# Altium PCB Elevator.PcbDoc (part 4 of 4) (continued)
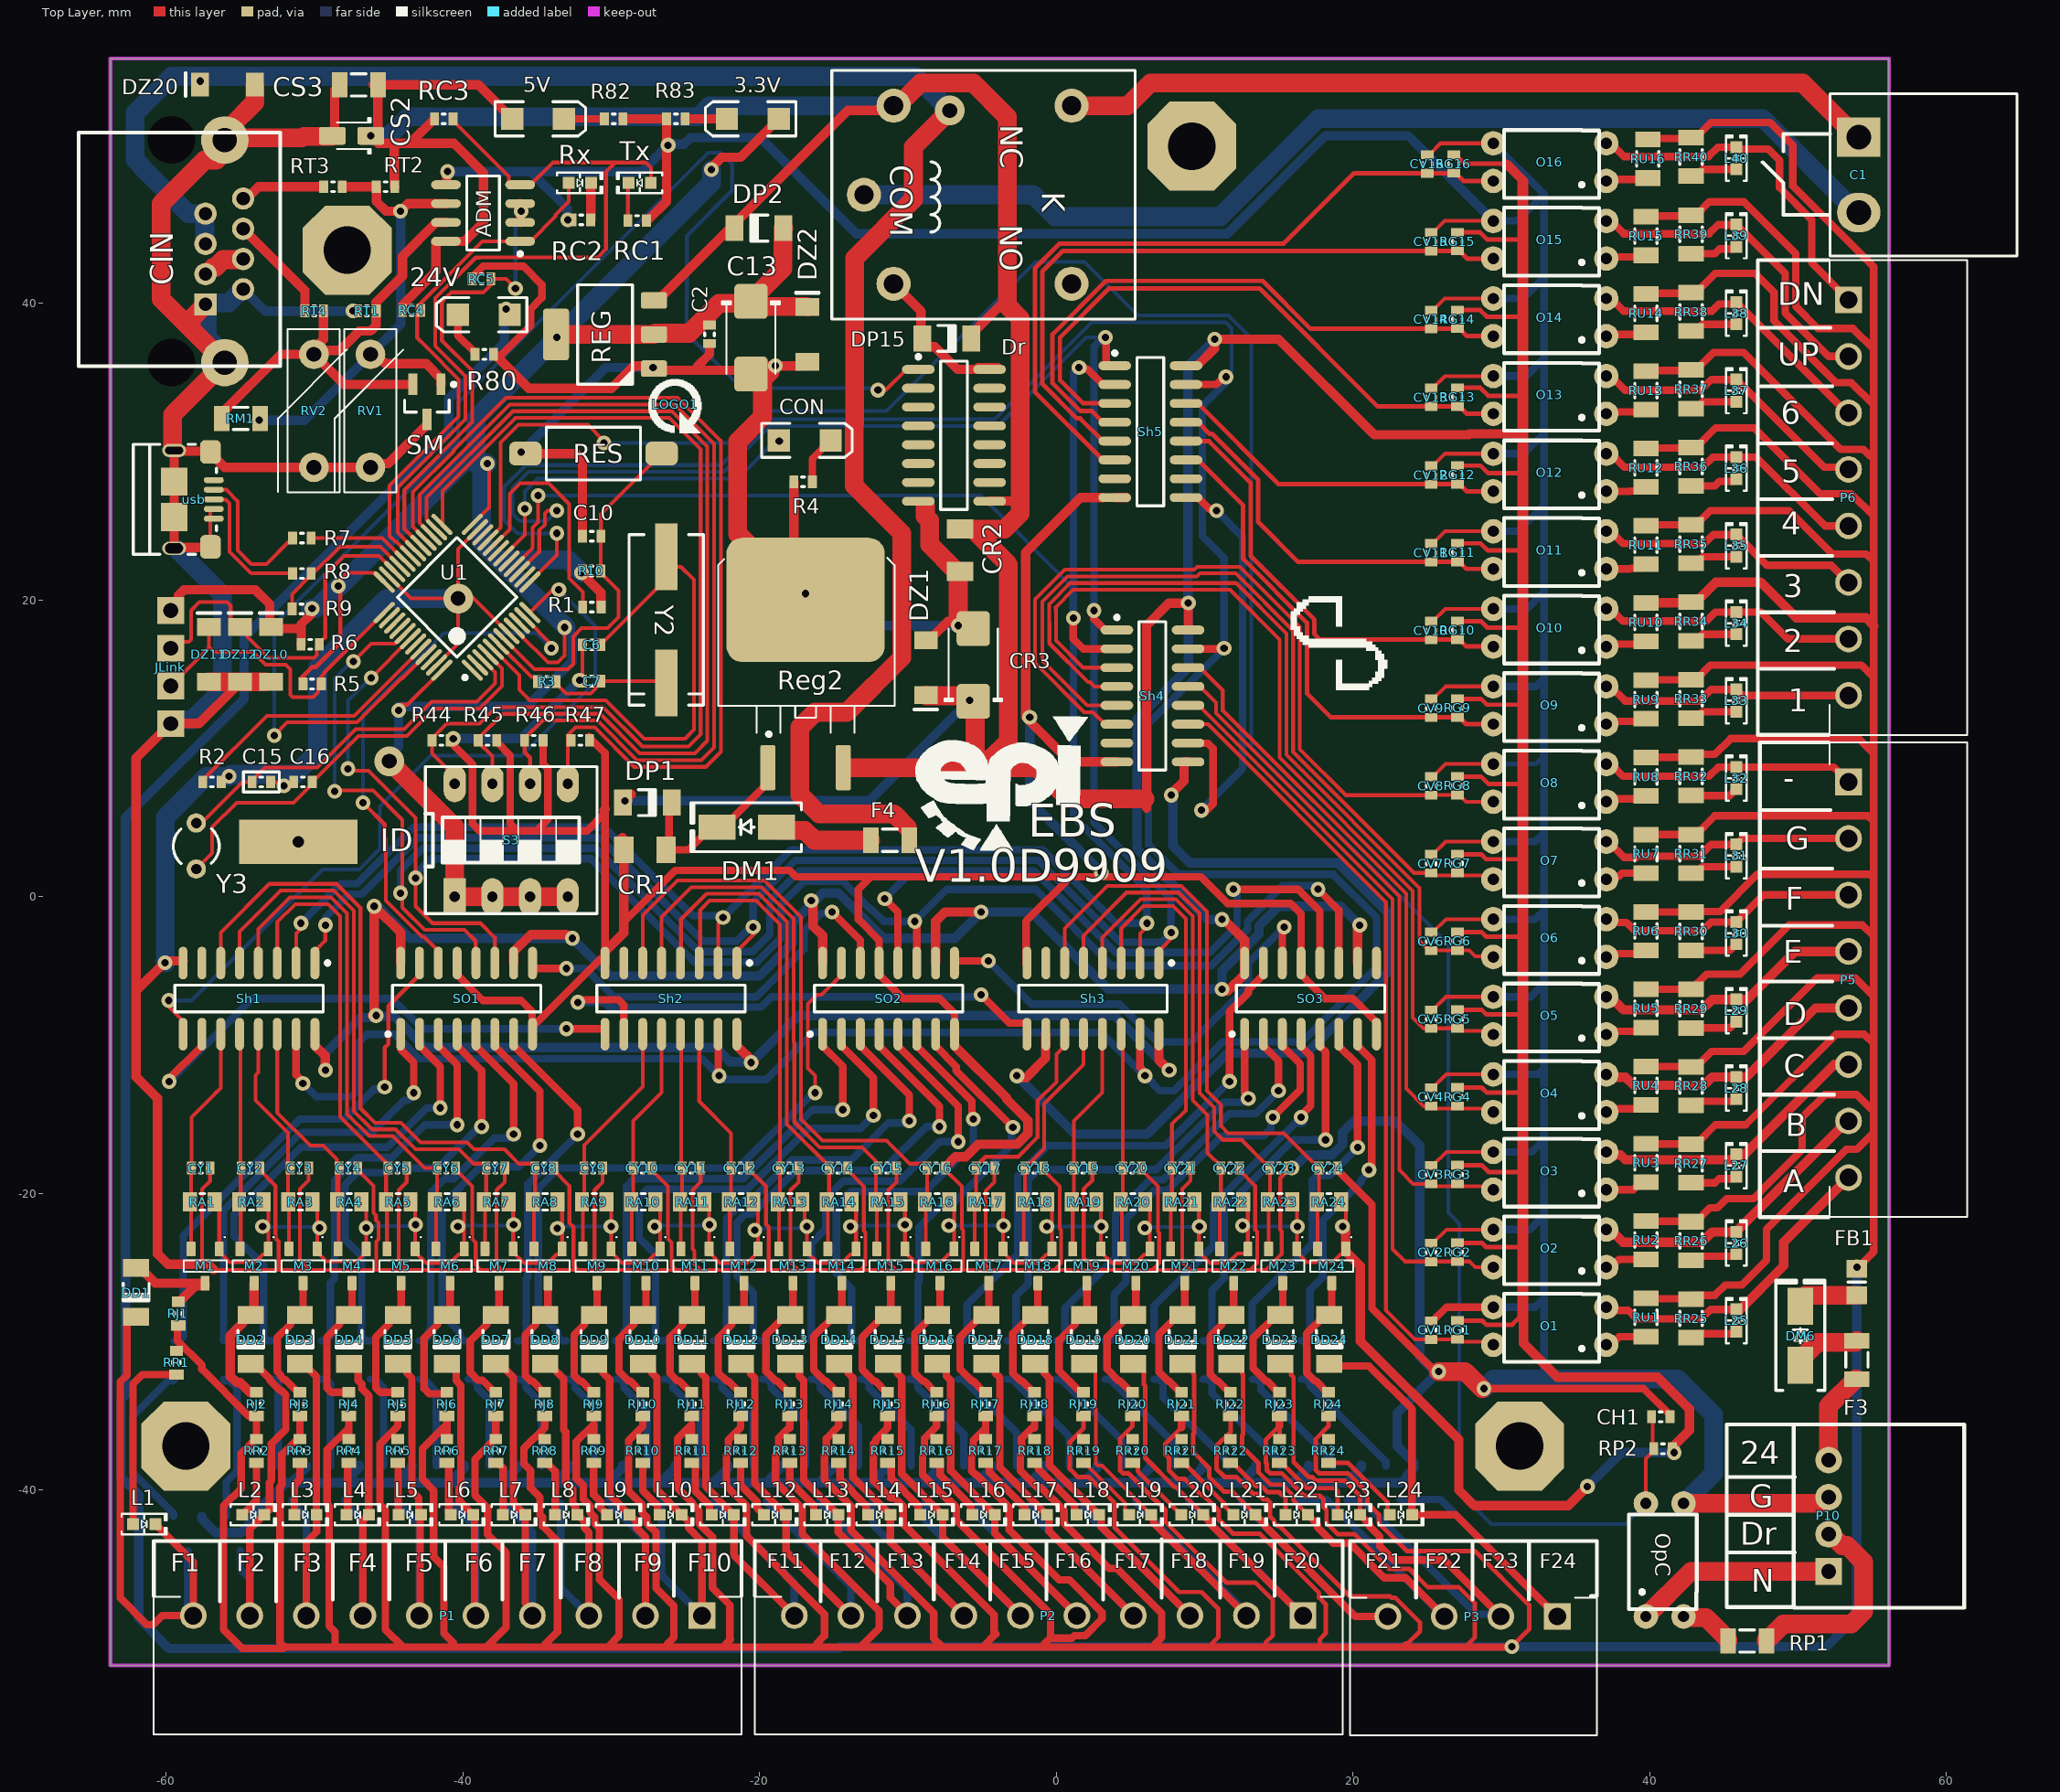
[diagram p0: Top Layer view]
## Nets (pads, with @x,y where several pads share a name; then routed paths per layer and width w, separated by ;. In a path a pad name is that pad's centre, name@x,y a point inside that pad or via, vN(x,y) a via of type N, cw(c..) or ccw(c..) an arc to the next point about the centre after c; other vN are vias at no path point) (continued)
Sig_12: RF13.2 SO2.4 | length 33.1
  Top Layer w0.508: SO2.4@-11.936,-9.258 -11.936,-10.058 -7.874,-14.12 v1(-7.874,-15.494)
  Bottom Layer w0.508: RF13.2@-19.812,-29.923 -20.137,-29.923 -20.408,-29.652 -20.408,-26.689 -21.528,-25.569 -21.528,-21.957 -20.969,-21.398 -20.493,-21.398 -17.538,-18.444 -11.713,-18.444 -8.763,-15.494 v1(-7.874,-15.494)
Sig_13: RF14.2 SO2.5 | length 29.4
  Top Layer w0.508: SO2.5@-10.666,-9.258 -10.666,-10.058 -6.604,-14.12 v1(-6.604,-16.51)
  Bottom Layer w0.508: RF14.2@-16.51,-29.923 -16.51,-23.368 -15.529,-22.387 -15.529,-20.355 -14.326,-19.152 -10.516,-19.152 -7.874,-16.51 v1(-6.604,-16.51)
Sig_14: RF15.2 SO2.6 | length 30.1
  Top Layer w0.508: SO2.6@-9.396,-9.258 -9.396,-10.058 -5.682,-13.772 -5.682,-14.892 v1(-5.588,-14.986)
  Bottom Layer w0.508: RF15.2@-13.208,-29.923 -13.533,-29.923 -13.804,-29.652 -13.804,-26.384 -14.821,-25.366 -14.821,-20.856 -13.825,-19.86 -8.811,-19.86 -6.445,-17.494 -6.096,-17.494 -5.588,-16.986 v1(-5.588,-14.986)
Sig_15: RF16.2 SO2.7 | length 26.3
  Top Layer w0.508: SO2.7@-8.126,-9.258 -8.126,-10.058 -6.75,-11.434 -6.75,-11.703 v1(-2.921,-15.532)
  Bottom Layer w0.508: RF16.2@-9.906,-29.923 -9.581,-29.923 -9.31,-29.652 -9.31,-25.995 -9.238,-25.924 -9.238,-22.267 -7.818,-20.846 -7.135,-20.846 -3.015,-16.726 -3.015,-15.626 v1(-2.921,-15.532)
Sig_16: RF17.2 SO3.15 | length 38.6
  Top Layer w0.508: v1(11.684,-12.446) 11.684,-7.747 12.954,-6.477 12.954,-6.274 13.97,-5.258 SO3.15@13.97,-4.458
  Bottom Layer w0.508: RF17.2@-6.604,-29.923 -6.279,-29.923 -6.008,-29.652 -6.008,-27.507 -2.602,-24.101 -2.602,-18.804 -0.572,-16.773 7.357,-16.773 v1@11.557,-12.573
Sig_17: RF18.2 SO3.1 | length 32.8
  Top Layer w0.508: SO3.1@12.7,-9.258 12.7,-13.202 12.954,-13.456 v1(12.954,-13.589)
  Bottom Layer w0.508: RF18.2@-3.302,-29.923 -2.977,-29.923 -2.706,-29.652 -2.706,-26.916 -1.894,-26.104 -1.894,-19.097 -1.177,-18.381 6.751,-18.381 11.288,-13.843 v1@12.7,-13.843
Sig_18: RF19.2 SO3.2 | length 29
  Top Layer w0.508: SO3.2@13.97,-9.258 13.97,-10.058 14.986,-11.074 v1(14.986,-13.072)
  Bottom Layer w0.508: RF19.2@0,-29.923 0.325,-29.923 0.596,-29.652 0.596,-27.723 4.002,-24.317 4.002,-21.398 6.311,-19.089 7.2,-19.089 11.684,-14.605 13.453,-14.605 v1(14.986,-13.072)
Sig_19: RF20.2 SO3.3 | length 28.5
  Top Layer w0.508: v1(14.605,-14.859) 16.443,-13.021 16.443,-11.261 15.24,-10.058 SO3.3@15.24,-9.258
  Bottom Layer w0.508: RF20.2@3.302,-29.923 3.627,-29.923 3.898,-29.652 3.898,-26.78 4.71,-25.968 4.71,-21.691 6.605,-19.797 7.494,-19.797 11.161,-16.129 13.97,-16.129 14.478,-15.621 v1@14.478,-15.24
Sig_20: RF21.2 SO3.4 | length 25.3
  Top Layer w0.508: v1(16.51,-14.859) 16.51,-14.726 17.151,-14.084 17.151,-10.724 16.51,-10.083 SO3.4@16.51,-9.258
  Bottom Layer w0.508: RF21.2@6.604,-29.923 6.604,-27.559 10.606,-23.557 10.606,-20.766 16.132,-15.24 v1@16.637,-15.24
Sig_21: RF22.2 SO3.5 | length 25.7
  Top Layer w0.508: SO3.5@17.78,-9.258 17.78,-10.083 18.161,-10.464 v1(18.161,-16.383)
  Bottom Layer w0.508: RF22.2@9.906,-29.923 10.231,-29.923 10.502,-29.652 10.502,-26.535 11.314,-25.723 11.314,-21.059 15.99,-16.383 v1(18.161,-16.383)
Sig_22: RF23.2 SO3.6 | length 24.6
  Top Layer w0.508: SO3.6@19.05,-9.258 19.05,-10.058 20.32,-11.328 v1(20.32,-16.891)
  Bottom Layer w0.508: RF23.2@13.208,-29.923 13.208,-27.432 17.272,-23.368 17.272,-19.102 17.57,-18.804 18.407,-18.804 v1(20.32,-16.891)
Sig_23: RF24.2 SO3.7 | length 23.2
  Top Layer w0.508: SO3.7@20.32,-9.258 20.32,-10.058 21.274,-11.012 21.274,-18.09 21.082,-18.282 v1(21.082,-18.415)
  Bottom Layer w0.508: RF24.2@16.51,-29.923 16.835,-29.923 17.106,-29.652 17.106,-26.502 17.98,-25.628 17.98,-21.805 20.541,-19.244 20.541,-19.089 21.082,-18.548 v1(21.082,-18.415)
SIMu_0: CY1.2 M1.2 RA1.2 Sh1.11 | length 15.3
  Top Layer w0.254: M1.2@-58.32,-23.742 CY1.2@-58.32,-18.288 ; CY1.2@-58.28,-18.288 -58.28,-14.854 -56.769,-13.342 -56.769,-13.335 -56.321,-12.887 Sh1.11@-56.321,-9.258
SIMu_1: CY2.2 M2.2 RA2.2 Sh1.12 | length 14.6
  Top Layer w0.254: Sh1.12@-55.051,-9.258 -54.993,-9.315 -54.993,-18.231 CY2.2@-54.936,-18.288 -54.977,-18.329 -54.977,-23.701 M2.2@-55.018,-23.742
SIMu_2: CY3.2 M3.2 RA3.2 Sh1.13 | length 15.5
  Top Layer w0.254: Sh1.13@-53.781,-9.258 -53.781,-11.837 -53.975,-12.031 -53.975,-13.716 -51.781,-15.91 RA3.2@-51.781,-20.561 -51.716,-20.626 M3.2@-51.716,-23.742
SIMu_3: CY4.2 M4.2 RA4.2 Sh1.14 | length 19
  Top Layer w0.254: Sh1.14@-52.511,-9.258 -52.511,-14.538 -50.285,-16.764 -49.403,-16.764 -48.479,-17.688 RA4.2@-48.479,-20.561 ; M4.2@-48.414,-23.742 -48.373,-23.701 -48.373,-18.329 CY4.2@-48.332,-18.288
SIMu_4: CY5.2 M5.2 RA5.2 Sh1.3 | length 31.2
  Top Layer w0.254: Sh1.3@-52.578,-4.064 -52.511,-3.997 -52.511,-1.711 -51.286,-0.486 -49.084,-0.486 -48.26,-1.31 -48.26,-14.822 -45.177,-17.906 RA5.2@-45.177,-20.561 -45.112,-20.626 M5.2@-45.112,-23.742
SIMu_5: CY6.2 M6.2 RA6.2 Sh1.4 | length 36.3
  Top Layer w0.254: Sh1.4@-53.781,-4.458 -53.781,-2.159 -51.654,-0.032 -48.896,-0.032 -47.806,-1.122 -47.806,-14.634 -46.311,-16.129 -44.723,-16.129 -42.564,-18.288 CY6.2@-41.728,-18.288 -41.728,-20.415 RA6.2@-41.875,-20.561 -41.81,-20.626 M6.2@-41.81,-23.742
SIMu_6: CY7.2 M7.2 RA7.2 Sh1.5 | length 41.7
  Top Layer w0.254: Sh1.5@-55.051,-4.458 -55.051,-2.34 -52.289,0.422 -48.708,0.422 -47.352,-0.934 -47.352,-14.446 -46.123,-15.675 -44.535,-15.675 -43.192,-17.018 -40.251,-17.018 -39.279,-17.99 -38.599,-17.99 -38.426,-18.163 CY7.2@-38.426,-18.288 -38.426,-20.746 RA7.2@-38.508,-20.828 ; M7.2@-38.508,-23.742 RA7.2@-38.508,-20.828 ; RA7.2@-38.508,-20.828 -38.508,-20.626 RA7.2@-38.573,-20.561 -38.573,-20.764 RA7.2@-38.508,-20.828
SIMu_7: CY8.2 M8.2 RA8.2 Sh1.6 | length 46.1
  Top Layer w0.254: Sh1.6@-56.321,-4.458 -56.321,-2.409 -53.036,0.876 -48.52,0.876 -46.898,-0.746 -46.898,-14.258 -45.935,-15.221 -44.181,-15.221 -42.838,-16.564 -39.703,-16.564 -39.249,-17.018 -37.192,-17.018 -36.22,-17.99 -35.297,-17.99 -35.124,-18.163 CY8.2@-35.124,-18.288 -35.124,-20.415 RA8.2@-35.271,-20.561 -35.206,-20.626 M8.2@-35.206,-23.742
SIMu_8: CY9.2 M9.2 RA9.2 Sh2.11 | length 16.2
  Top Layer w0.254: M9.2@-31.904,-23.742 -31.904,-20.626 RA9.2@-31.969,-20.561 -31.822,-20.415 CY9.2@-31.822,-18.288 -31.822,-16.736 -27.874,-12.788 Sh2.11@-27.874,-9.258
SIMu_9: CY10.2 M10.2 RA10.2 Sh2.12 | length 15.4
  Top Layer w0.254: M10.2@-28.602,-23.742 -28.602,-20.626 RA10.2@-28.667,-20.561 -28.52,-20.415 CY10.2@-28.52,-18.288 -28.52,-15.115 -26.604,-13.199 Sh2.12@-26.604,-9.258
SIMu_10: CY11.2 M11.2 RA11.2 Sh2.13 | length 14.6
  Top Layer w0.254: Sh2.13@-25.334,-9.258 -25.276,-9.316 -25.276,-18.23 CY11.2@-25.218,-18.288 -25.218,-20.415 RA11.2@-25.365,-20.561 -25.3,-20.626 M11.2@-25.3,-23.742
SIMu_11: CY12.2 M12.2 RA12.2 Sh2.14 | length 15.5
  Top Layer w0.254: Sh2.14@-24.064,-9.258 -24.064,-13.782 -21.916,-15.93 CY12.2@-21.916,-18.288 -21.916,-20.415 RA12.2@-22.063,-20.561 -21.998,-20.626 M12.2@-21.998,-23.742
SIMu_12: CY13.2 M13.2 RA13.2 Sh2.3 | length 31.9
  Top Layer w0.254: Sh2.3@-24.064,-4.458 -24.003,-4.397 -24.003,-0.889 -23.368,-0.254 -20.225,-0.254 -18.614,-1.865 CY13.2@-18.614,-18.288 -18.614,-20.415 RA13.2@-18.761,-20.561 -18.696,-20.626 M13.2@-18.696,-23.742
SIMu_13: CY14.2 M14.2 RA14.2 Sh2.4 | length 34.9
  Top Layer w0.254: Sh2.4@-25.334,-4.458 -25.295,-4.418 -25.295,-1.524 -23.571,0.2 -20.037,0.2 -18.16,-1.677 -18.16,-15.315 -15.312,-18.163 CY14.2@-15.312,-18.288 -15.312,-20.415 RA14.2@-15.459,-20.561 -15.394,-20.626 M14.2@-15.394,-23.742
SIMu_14: CY15.2 M15.2 RA15.2 Sh2.5 | length 39.4
  Top Layer w0.254: Sh2.5@-26.604,-3.871 -26.604,-1.359 -24.592,0.654 -19.849,0.654 -17.706,-1.489 -17.706,-9.779 -17.651,-9.834 -17.651,-15.182 -15.942,-16.891 -13.081,-16.891 -12.157,-17.815 -12.157,-18.288 RA15.2@-12.157,-20.561 -12.092,-20.626 M15.2@-12.092,-23.742
SIMu_15: CY16.2 M16.2 RA16.2 Sh2.6 | length 45
  Top Layer w0.254: Sh2.6@-27.874,-4.458 -27.874,-1.25 -25.517,1.108 -19.661,1.108 -17.197,-1.356 -17.197,-14.994 -15.754,-16.437 -11.429,-16.437 -9.876,-17.99 -8.881,-17.99 -8.708,-18.163 CY16.2@-8.708,-18.288 -8.708,-20.415 RA16.2@-8.855,-20.561 -8.79,-20.626 M16.2@-8.79,-23.742
SIMu_16: CY17.2 M17.2 RA17.2 Sh3.11 | length 18.3
  Top Layer w0.254: M17.2@-5.488,-23.742 -5.488,-20.626 RA17.2@-5.553,-20.561 -5.406,-20.415 CY17.2@-5.406,-18.288 -5.406,-18.163 -4.769,-17.526 -2.565,-17.526 -1.259,-16.22 -1.259,-13.762 0.029,-12.474 0.029,-10.601 0.572,-10.058 Sh3.11@0.572,-9.258
SIMu_17: CY18.2 M18.2 RA18.2 Sh3.12 | length 16.2
  Top Layer w0.254: M18.2@-2.186,-23.742 -2.186,-20.626 RA18.2@-2.251,-20.561 -2.104,-20.415 CY18.2@-2.104,-18.288 -0.805,-16.989 -0.805,-13.95 1.842,-11.303 Sh3.12@1.842,-9.258
SIMu_18: CY19.2 M19.2 RA19.2 Sh3.13 | length 15.4
  Top Layer w0.254: M19.2@1.116,-23.742 1.116,-20.626 RA19.2@1.051,-20.561 1.198,-20.415 CY19.2@1.198,-18.288 1.198,-15.114 3.112,-13.2 Sh3.13@3.112,-9.258
SIMu_19: CY20.2 M20.2 RA20.2 Sh3.14 | length 14.7
  Top Layer w0.254: Sh3.14@4.382,-9.258 4.305,-9.258 4.5,-9.453 CY20.2@4.5,-18.288 4.5,-20.415 RA20.2@4.353,-20.561 4.418,-20.626 M20.2@4.418,-23.742
SIMu_20: CY21.2 M21.2 RA21.2 Sh3.3 | length 30.9
  Top Layer w0.254: Sh3.3@4.445,-4.953 4.382,-4.89 Sh3.3@4.382,-4.458 4.382,-2.124 5.888,-0.619 7.874,-0.619 8.75,-1.495 8.75,-14.386 7.802,-15.334 CY21.2@7.802,-18.288 7.802,-20.415 RA21.2@7.655,-20.561 7.72,-20.626 M21.2@7.72,-23.742
SIMu_21: CY22.2 M22.2 RA22.2 Sh3.4 | length 32.7
  Top Layer w0.254: Sh3.4@3.112,-4.458 3.112,-2.752 5.7,-0.165 8.062,-0.165 9.204,-1.307 9.204,-13.716 10.196,-14.708 10.196,-17.255 11.104,-18.163 11.104,-20.415 RA22.2@10.957,-20.561 11.022,-20.626 M22.2@11.022,-23.742
SIMu_22: CY23.2 M23.2 RA23.2 Sh3.5 | length 36.7
  Top Layer w0.254: Sh3.5@1.778,-4.191 1.842,-4.127 1.842,-2.616 4.748,0.289 8.25,0.289 9.658,-1.119 9.658,-13.214 10.65,-14.206 10.65,-15.804 11.229,-16.383 12.501,-16.383 14.108,-17.99 14.233,-17.99 14.406,-18.163 CY23.2@14.406,-18.288 14.406,-20.415 RA23.2@14.259,-20.561 14.324,-20.626 M23.2@14.324,-23.742
SIMu_23: CY24.2 M24.2 RA24.2 Sh3.6 | length 42.1
  Top Layer w0.254: Sh3.6@0.572,-4.458 0.572,-2.129 3.444,0.743 8.438,0.743 10.166,-0.984 10.166,-13.08 11.104,-14.018 11.104,-15.455 11.576,-15.928 15.348,-15.928 17.41,-17.99 17.535,-17.99 17.708,-18.163 CY24.2@17.708,-18.288 17.708,-20.415 RA24.2@17.561,-20.561 17.626,-20.626 M24.2@17.626,-23.742
SIMu_24: CV1.2 O1.4 RG1.1 Sh4.11 | length 54
  Top Layer w0.254: Sh4.11@8.89,11.64 10.24,11.64 22.225,-0.346 22.225,-20.739 22.225,-27.87 24.187,-29.832 24.892,-29.832 24.898,-29.826 25.273,-29.826 27.045,-29.826 RG1.1@27.051,-29.819 27.224,-29.992 29.256,-29.992 O1.4@29.464,-30.2
SIMu_25: CV2.2 O2.4 RG2.1 Sh4.12 | length 50.1
  Top Layer w0.254: Sh4.12@8.89,12.91 9.612,12.91 22.679,-0.158 22.679,-23.749 23.509,-24.579 RG2.1@27.051,-24.579 27.857,-24.579 28.248,-24.969 O2.4@29.464,-24.969
SIMu_26: CV3.2 O3.4 RG3.1 Sh4.13 | length 45.8
  Top Layer w0.254: Sh4.13@8.89,14.18 9.69,14.18 10.771,13.099 10.771,12.392 23.133,0.03 23.133,-18.415 24.068,-19.35 24.892,-19.35 25.065,-19.523 29.249,-19.523 O3.4@29.464,-19.739
SIMu_27: CV4.2 O4.4 RG4.1 Sh4.14 | length 41.5
  Top Layer w0.254: Sh4.14@8.89,15.45 9.69,15.45 11.225,13.915 11.225,12.581 23.587,0.219 23.587,-12.93 24.767,-14.11 24.892,-14.11 25.065,-14.283 29.239,-14.283 O4.4@29.464,-14.508
SIMu_28: CV5.2 O5.4 RG5.1 Sh4.3 | length 59.2
  Top Layer w0.254: Sh4.3@4.09,15.45 1.822,15.45 0,17.272 0,19.304 -0.022,19.326 -0.022,19.536 1.143,20.701 11.718,20.701 15.062,17.356 15.062,9.385 24.041,0.407 24.041,-8.143 24.767,-8.869 24.892,-8.869 24.898,-8.862 27.045,-8.862 RG5.1@27.051,-8.856 27.224,-9.029 29.216,-9.029 O5.4@29.464,-9.277
SIMu_29: CV6.2 O6.4 RG6.1 Sh4.4 | length 56.3
  Top Layer w0.254: Sh4.4@4.09,14.18 2.584,14.18 2.286,14.478 2.152,14.478 -0.454,17.084 -0.454,18.415 -0.476,18.437 -0.476,19.724 0.955,21.155 12.119,21.155 15.516,17.758 15.516,9.573 24.495,0.595 24.495,-2.975 25.148,-3.628 CV6.2@25.273,-3.628 25.279,-3.621 27.045,-3.621 RG6.1@27.051,-3.615 27.857,-3.615 28.258,-4.016 29.433,-4.016 O6.4@29.464,-4.047
SIMu_30: CV7.2 O7.4 RG7.1 Sh4.5 | length 54.8
  Top Layer w0.254: Sh4.5@4.09,12.91 2.076,12.91 -0.93,15.916 -0.93,19.912 0.767,21.609 9.495,21.609 9.69,21.804 12.112,21.804 15.97,17.946 15.97,9.761 24.119,1.613 CV7.2@25.273,1.613 25.446,1.44 29.208,1.44 O7.4@29.464,1.184
SIMu_31: CV8.2 O8.4 RG8.1 Sh4.6 | length 54.7
  Top Layer w0.254: Sh4.6@4.09,11.64 3.29,11.64 2.474,12.456 1.888,12.456 -1.422,15.766 -1.422,20.062 0.579,22.063 9.307,22.063 9.502,22.258 12.385,22.258 16.424,18.219 16.424,9.949 19.52,6.854 CV8.2@25.273,6.854 25.279,6.86 27.045,6.86 RG8.1@27.051,6.867 27.176,6.867 27.628,6.415 O8.4@29.464,6.415
SIMu_32: CV9.2 O9.4 RG9.1 Sh5.11 | length 33
  Top Layer w0.305: Sh5.11@8.75,29.457 9.55,29.457 12.607,26.4 12.607,22.776 16.904,18.48 16.904,13.716 18.525,12.095 CV9.2@25.273,12.095 25.279,12.101 27.045,12.101 RG9.1@27.051,12.108 27.176,12.108 27.638,11.645 O9.4@29.464,11.645
SIMu_33: CV10.2 O10.4 RG10.1 Sh5.12 | length 29.9
  Top Layer w0.305: Sh5.12@8.75,30.727 8.764,30.714 10.307,30.714 13.112,27.909 13.112,22.985 17.408,18.689 17.408,17.702 17.775,17.336 CV10.2@25.273,17.336 25.279,17.342 27.045,17.342 RG10.1@27.051,17.348 27.176,17.348 27.648,16.876 O10.4@29.464,16.876
SIMu_34: CV11.2 O11.4 RG11.1 Sh5.13 | length 26.5
  Top Layer w0.305: Sh5.13@8.75,31.997 9.55,31.997 10.329,31.219 10.516,31.219 13.617,28.118 13.617,25.273 16.313,22.576 CV11.2@25.273,22.576 25.279,22.583 27.045,22.583 RG11.1@27.051,22.589 27.176,22.589 27.659,22.107 O11.4@29.464,22.107
SIMu_35: CV12.2 O12.4 RG12.1 Sh5.14 | length 23.2
  Top Layer w0.305: Sh5.14@8.75,33.267 9.55,33.267 15,27.817 CV12.2@25.273,27.817 25.279,27.824 27.045,27.824 RG12.1@27.051,27.83 27.176,27.83 27.669,27.337 O12.4@29.464,27.337
SIMu_36: CV13.2 O13.4 RG13.1 Sh5.3 | length 41.3
  Top Layer w0.305: Sh5.3@3.95,33.267 1.817,33.267 0.254,34.831 0.254,37.711 3.564,41.021 13.708,41.021 21.671,33.058 CV13.2@25.273,33.058 25.279,33.065 27.045,33.065 RG13.1@27.051,33.071 27.176,33.071 27.679,32.568 O13.4@29.464,32.568
SIMu_37: CV14.2 O14.4 RG14.1 Sh5.4 | length 41.3
  Top Layer w0.305: Sh5.4@3.95,31.997 3.15,31.997 2.385,32.763 1.608,32.763 -0.251,34.622 -0.251,37.92 3.355,41.526 13.918,41.526 17.144,38.299 CV14.2@25.273,38.299 25.279,38.305 27.17,38.305 27.176,38.312 27.689,37.799 O14.4@29.464,37.799
SIMu_38: CV15.2 O15.4 RG15.1 Sh5.5 | length 45.5
  Top Layer w0.305: Sh5.5@3.95,30.727 3.15,30.727 1.62,32.258 1.399,32.258 -0.93,34.587 -0.93,42.164 0.446,43.54 CV15.2@25.273,43.54 25.286,43.553 RG15.1@27.051,43.553 27.176,43.553 27.699,43.029 29.107,43.029 29.337,42.799 29.464,42.926 O15.4@29.464,43.029
SIMu_39: CV16.2 O16.4 RG16.1 Sh5.6 | length 49.4
  Top Layer w0.305: Sh5.6@3.95,29.457 3.15,29.457 -1.435,34.042 -1.435,42.373 0.237,44.045 15.343,44.045 20.079,48.781 CV16.2@25.019,48.781 25.025,48.787 26.791,48.787 RG16.1@26.797,48.794 26.922,48.794 27.456,48.26 O16.4@29.464,48.26
SWCLk: DZ11.2 JLink.2 R5.2 U1.37 | length 22.2
  Top Layer w0.254: JLink.2@-59.69,14.224 -57.127,16.787 -57.127,16.849 ; DZ11.2@-57.127,18.189 -57.127,16.849 ; U1.37@-45.3,19.168 -49.355,15.113 -49.355,15.041 -49.666,14.73 -49.666,14.605 -49.741,14.53 -49.741,13.799 -50.078,13.462 -51.485,13.462 -51.634,13.611 -51.634,15.345 -51.942,15.653 -53.296,15.653 -54.153,16.51 -56.788,16.51 -57.127,16.849
SWIO: DZ12.2 JLink.3 R6.1 U1.34 | length 25.9
  Top Layer w0.254: JLink.3@-59.69,16.764 -59.267,17.187 -58.469,17.187 -58.32,17.336 -58.32,19.304 -57.756,19.869 -55.886,19.869 -55.651,19.634 -55.651,18.662 DZ12.2@-55.178,18.189 ; DZ12.2@-55.227,18.189 DZ12.2@-55.178,18.189 ; R6.1@-49.706,17.058 -49.276,17.487 -49.276,21.717 -48.006,22.987 -45.655,22.987 U1.34@-44.593,21.925 ; R6.1@-49.666,17.018 -49.839,16.845 -49.839,16.294 -50.025,16.107 -53.108,16.107 -54.554,17.554 -54.554,17.716 -55.027,18.189 DZ12.2@-55.178,18.189
TxComm: ADM.4 RC3.1 Tx.1 U1.30 | length 56.5
  Top Layer w0.254: U1.30@-43.179,23.34 -44.396,24.557 -44.396,27.62 -39.824,32.192 -39.824,35.099 -41.868,37.144 -41.868,40.361 -39.132,43.098 -38.861,43.098 -38.844,43.114 -30.897,43.114 -30.353,43.658 -30.353,48.883 -29.733,49.503 ; RC3.1@-40.666,52.451 -40.666,52.326 -36.9,48.561 -36.9,48.166 -36.741,48.006 ADM.4@-36.134,48.006 -35.434,48.006 -33.938,49.503 -29.733,49.503 ; Tx.1@-27.329,48.133 -27.305,48.157 -27.305,49.149 -27.659,49.503 -29.733,49.503
VCC: 5V.1 ADM.8 CR2.1 CR3.1 CS2.1 CS3.1 DP1.1 DP2.2 DP15.2 Dr.9 DZ1.2 K.4 M1.1 M2.1 M3.1 M4.1 M5.1 M6.1 M7.1 M8.1 M9.1 M10.1 M11.1 M12.1 M13.1 M14.1 M15.1 M16.1 M17.1 M18.1 M19.1 M20.1 M21.1 M22.1 M23.1 M24.1 RA1.1 RA2.1 RA3.1 RA4.1 RA5.1 RA6.1 RA7.1 RA8.1 RA9.1 RA10.1 RA11.1 RA12.1 RA13.1 RA14.1 RA15.1 RA16.1 RA17.1 RA18.1 RA19.1 RA20.1 RA21.1 RA22.1 RA23.1 RA24.1 RC3.2 RC4.2 Reg2.3 REG.3 RG1.2 RG2.2 RG3.2 RG4.2 RG5.2 RG6.2 RG7.2 RG8.2 RG9.2 RG10.2 RG11.2 RG12.2 RG13.2 RG14.2 RG15.2 RG16.2 RP2.2 RT2.1 Sh1.16 Sh2.16 Sh3.16 Sh4.16 Sh5.16 SO1.10 SO1.16 SO2.10 SO2.16 SO3.10 SO3.16 | length 939.7
  Top Layer w0.254: RA1.1@-56.735,-20.561 -56.42,-20.876 M1.1@-56.42,-23.742 -56.42,-23.942 -55.724,-24.638 -54.014,-24.638 -53.491,-24.115 -53.291,-24.115 -53.118,-23.942 M2.1@-53.118,-23.742 -53.118,-20.876 RA2.1@-53.433,-20.561 ; RA3.1@-50.131,-20.561 -49.816,-20.876 M3.1@-49.816,-23.742 -49.816,-23.942 -49.189,-24.569 -47.141,-24.569 -46.514,-23.942 M4.1@-46.514,-23.742 v1(-46.514,-22.309) -46.514,-20.876 RA4.1@-46.829,-20.561 ; RA5.1@-43.527,-20.561 -43.212,-20.876 M5.1@-43.212,-23.742 -43.212,-23.942 -42.462,-24.692 -40.86,-24.692 -40.283,-24.115 -40.083,-24.115 -39.91,-23.942 M6.1@-39.91,-23.742 -39.91,-20.876 RA6.1@-40.225,-20.561 ; RA7.1@-36.923,-20.561 -36.608,-20.876 M7.1@-36.608,-23.742 -36.608,-23.942 -35.858,-24.692 -34.256,-24.692 -33.679,-24.115 -33.479,-24.115 -33.306,-23.942 M8.1@-33.306,-23.742 -33.306,-20.876 RA8.1@-33.621,-20.561 ; RA9.1@-30.319,-20.561 -30.004,-20.876 v1(-30.004,-22.225) M9.1@-30.004,-23.742 -30.004,-23.942 -29.254,-24.692 -27.652,-24.692 -27.075,-24.115 -26.875,-24.115 -26.702,-23.942 M10.1@-26.702,-23.742 RA10.1@-26.702,-20.876 ; RA11.1@-23.715,-20.561 -23.4,-20.876 M11.1@-23.4,-23.742 -23.4,-23.942 -22.65,-24.692 -20.848,-24.692 -20.098,-23.942 M12.1@-20.098,-23.742 RA12.1@-20.098,-20.876 ; RA13.1@-17.111,-20.561 -16.967,-20.705 v1@-16.967,-21.971 ; v1(-16.796,-22.225) M13.1@-16.796,-23.742 -16.796,-23.942 -16.046,-24.692 -14.444,-24.692 -13.867,-24.115 -13.667,-24.115 -13.494,-23.942 M14.1@-13.494,-23.742 RA14.1@-13.494,-20.876 ; RA15.1@-10.507,-20.561 -10.192,-20.876 v1(-10.192,-22.098) M15.1@-10.192,-23.742 -10.192,-23.942 -9.512,-24.622 -7.771,-24.622 -7.263,-24.115 -7.063,-24.115 -6.89,-23.942 M16.1@-6.89,-23.742 -6.89,-20.876 RA16.1@-7.205,-20.561 ; RA17.1@-3.903,-20.561 -3.588,-20.876 M17.1@-3.588,-23.742 -3.588,-23.942 -2.838,-24.692 -1.236,-24.692 -0.659,-24.115 -0.459,-24.115 -0.286,-23.942 M18.1@-0.286,-23.742 -0.286,-20.876 RA18.1@-0.601,-20.561 ; RA19.1@2.701,-20.561 3.016,-20.876 M19.1@3.016,-23.742 3.016,-23.942 3.766,-24.692 5.368,-24.692 5.945,-24.115 6.145,-24.115 6.318,-23.942 M20.1@6.318,-23.742 6.318,-20.876 RA20.1@6.003,-20.561 ; RA21.1@9.305,-20.561 9.62,-20.876 M21.1@9.62,-23.742 9.62,-23.942 10.37,-24.692 11.564,-24.692 12.216,-24.04 12.749,-24.04 12.922,-23.867 M22.1@12.922,-23.742 12.922,-20.876 RA22.1@12.607,-20.561 ; RA23.1@15.909,-20.561 16.224,-20.876 M23.1@16.224,-23.742 16.224,-23.942 16.92,-24.638 18.63,-24.638 19.153,-24.115 19.353,-24.115 M24.1@19.526,-23.942 ; RA24.1@19.211,-20.561 19.526,-20.876 v1@19.526,-22.225
  Top Layer w0.305: RG16.2@26.797,50.038 26.922,50.038 27.522,49.438 30.064,49.438 30.226,49.276 ; RG1.2@27.051,-28.575 28.713,-28.575 28.976,-28.838 30.738,-28.838 31.242,-28.334 31.242,-23.495 ; RG2.2@27.051,-23.334 28.703,-23.334 28.976,-23.607 31.13,-23.607 31.242,-23.495 ; RG3.2@27.051,-18.093 28.693,-18.093 29.16,-18.561 31.134,-18.561 31.242,-18.669 ; RG4.2@27.051,-12.852 28.683,-12.852 29.038,-13.208 31.242,-13.208 ; RG5.2@27.051,-7.612 28.672,-7.612 28.976,-7.915 31.201,-7.915 31.242,-7.874 ; RG6.2@27.051,-2.371 28.662,-2.371 28.976,-2.685 31.097,-2.685 31.242,-2.54 ; RG7.2@27.051,2.87 28.652,2.87 28.982,2.54 31.242,2.54 ; RG8.2@27.051,8.111 28.642,8.111 29.133,7.62 31.242,7.62 ; RG9.2@27.051,13.352 28.632,13.352 29.03,12.954 31.242,12.954 ; RG10.2@27.051,18.593 28.621,18.593 29.053,18.161 31.242,18.161 ; RG11.2@27.051,23.834 28.611,23.834 29.077,23.368 31.242,23.368 ; RG12.2@27.051,29.075 28.601,29.075 29.101,28.575 31.242,28.575 ; RG13.2@27.051,34.315 28.591,34.315 29.124,33.782 31.242,33.782 ; RG14.2@27.051,39.556 28.581,39.556 29.021,39.116 31.242,39.116 ; RG15.2@27.051,44.797 28.57,44.797 29.045,44.323 31.242,44.323 ; 31.242,30.988 31.242,28.575 ; 31.242,31.22 31.242,33.782 ; 31.242,48.26 31.242,44.323 ; 31.242,-23.495 31.242,-18.669 ; 31.242,-18.669 31.242,-13.208 ; 31.242,-13.208 31.242,-7.874 ; 31.242,-7.874 31.242,-2.54 ; 31.242,-2.54 31.242,2.54 ; 31.242,2.54 31.242,7.62 ; 31.242,7.62 31.242,12.954 ; 31.242,12.954 31.242,18.161 ; 31.242,18.161 31.242,23.368 ; 31.242,23.368 31.242,28.575 ; 31.242,33.782 31.242,39.116 ; 31.242,39.116 31.242,44.323
  Top Layer w0.635: Sh1.16@-49.971,-9.258 -49.971,-10.023 -49.276,-10.718 v1@-49.276,-11.557 ; v1@-46.101,-8.001 -45.974,-7.874 v1(-45.974,-0.635) ; v1@-45.849,-0.749 -44.192,-2.405 SO1.16@-44.192,-4.458 ; RT2.1@-44.593,47.879 -44.611,47.897 -44.611,50.8 ; RC4.2@-44.069,39.543 -44.069,39.908 -41.817,42.16 -41.817,44.178 -41.799,44.196 ADM.8@-41.134,44.196 -39.869,44.196 -38.608,45.457 -38.608,48.81 -40.598,50.8 -43.561,50.8 ; RC3.2@-41.91,52.451 -43.561,50.8 ; 5V.1@-36.675,52.451 -38.961,54.737 CS3.1@-45.72,54.737 -46.045,54.737 -45.72,54.412 -45.72,51.786 v1(-46.198,51.308) -45.69,50.8 -44.611,50.8 ; SO1.10@-36.572,-4.458 -36.572,-3.693 -35.419,-2.54 v1@-33.02,-2.54 ; DP1.1@-29.209,6.35 -29.209,6.625 -28.926,6.907 DP1.1@-28.651,6.907 ; REG.3@-27.117,40.213 -26.885,40.445 -26.611,40.445 -14.042,53.014 -10.74,53.014 K.4@-10.668,53.086 ; Sh2.16@-21.524,-9.258 -21.524,-10.023 v1@-20.371,-11.176 ; v1@-16.383,-0.127 -16.383,-1.978 -15.746,-2.615 SO2.16@-15.746,-4.458 ; SO2.10@-8.126,-4.458 -8.126,-1.649 -7.493,-1.016 v1(-5.063,-1.016) ; DP15.2@-5.716,37.651 -5.716,37.926 -3.764,39.878 -3.302,39.878 ; Dr.9@-4.49,26.67 -4.473,26.688 -2.695,26.688 ; -2.55,26.543 -2.695,26.688 ; -2.422,26.924 -2.658,26.688 -2.695,26.688 ; 6.096,5.969 6.096,18.304 7.596,19.804 v1@8.898,19.804 ; Sh3.16@6.922,-9.258 6.922,-10.986 v1(7.62,-11.684) ; Sh5.16@8.75,35.807 9.515,35.807 10.668,36.96 10.668,37.575 v1(10.685,37.592) 15.001,37.592 21.436,31.157 27.805,31.157 27.869,31.22 31.01,31.22 31.242,30.988 ; Sh4.16@8.89,17.99 8.898,17.998 v1@8.898,19.804 ; v1(8.907,19.812) v1@8.898,19.804 ; v1@11.239,-1.46 12.7,-2.921 SO3.16@12.7,-4.458 12.7,-5.223 v1@11.573,-6.35 ; v1(19.304,-22.225) 19.304,-22.324 19.508,-22.528 19.508,-23.89 M24.1@19.526,-23.907 ; M24.1@19.526,-23.942 M24.1@19.526,-23.907 ; SO3.10@20.32,-4.458 v1@20.32,-2.148 ; 30.353,49.403 31.496,48.26 31.496,44.323 31.496,-30.099 33.775,-32.378 40.538,-32.378 42.693,-34.532 42.693,-35.957 41.529,-37.121 RP2.2@41.529,-37.211 ; v1@35.941,-39.624 v1(35.814,-39.751) 34.521,-41.044 28.187,-41.044 27.148,-40.005 27.148,-36.598 20.509,-29.959 20.509,-24.891 M24.1@19.526,-23.907 ; -44.611,50.8 -43.561,50.8
  Top Layer w1.27: Reg2.3@-14.224,8.713 -1.309,8.713 0.801,6.604 5.969,6.604 ; K.4@-10.963,53.332 -10.685,53.332 -9.153,54.864 -5.588,54.864 -3.302,52.578 -3.302,39.878 -2.422,38.998 -2.422,26.924 -2.422,25.844 -3.473,24.793 CR2.1@-6.477,24.793 ; DZ1.2@-8.776,13.592 -8.741,13.557 -5.963,13.557 CR3.1@-5.588,13.182 ; CR2.1@-5.601,24.778 -3.219,22.396 -3.219,10.497 -4.572,9.144 ; CR3.1@-5.461,12.536 -5.461,9.652 -4.699,8.89
  Bottom Layer w0.254: v1(-53.491,-22.225) -53.45,-22.267 -49.699,-22.267 v1(-49.657,-22.309) ; v1(-46.514,-22.309) -46.409,-22.203 -43.284,-22.203 v1(-43.179,-22.098) ; v1(-40.337,-22.225) -40.274,-22.162 -36.636,-22.162 v1(-36.572,-22.098) ; v1(-33.621,-22.352) -33.494,-22.225 v1(-30.004,-22.225) ; v1(-27.075,-22.225) -27.012,-22.162 -23.431,-22.162 v1(-23.368,-22.098) ; v1(-20.32,-22.479) -20.193,-22.352 -16.923,-22.352 v1(-16.796,-22.225) ; v1(-13.867,-22.225) -13.804,-22.162 -10.256,-22.162 v1(-10.192,-22.098) ; v1(-7.239,-22.162) v1(-3.556,-22.162) ; v1(-0.635,-22.225) v1(3.048,-22.225) ; v1(5.969,-22.309) 6.011,-22.267 9.61,-22.267 v1(9.652,-22.225) ; v1(12.573,-22.162) 12.636,-22.225 v1(16.256,-22.225)
  Bottom Layer w0.635: v1(-49.259,-11.684) -49.259,-10.524 -46.872,-8.137 -45.847,-8.137 -45.78,-8.071 -44.634,-8.071 -44.45,-8.255 ; v1@-45.72,-0.635 -43.561,-2.794 v1(-32.622,-2.794) -30.082,-5.334 -20.006,-5.334 -17.778,-3.106 -17.778,-1.776 v1@-16.256,-0.254 ; -44.323,-8.382 -42.554,-10.151 -22.951,-10.151 -21.996,-11.106 -20.627,-11.106 v1(-20.557,-11.176) -17.382,-8.001 3.937,-8.001 v1(7.62,-11.684) ; v1(-29.082,6.477) -12.611,6.477 v1(-5.842,13.246) ; v1(-16.51,-0.254) v1@-16.256,-0.254 ; v1@-5.182,-1.135 -6.834,-2.787 -11.639,-2.787 -14.68,0.254 -15.748,0.254 v1@-16.256,-0.254 ; v1(-5.063,-1.016) -1.72,-1.016 3.487,-6.223 11.049,-6.223 v1@11.106,-6.28 ; v1@8.89,19.685 8.89,35.797 v1(10.685,37.592) ; v1(8.907,19.812) 8.907,15.442 5.452,11.987 5.452,3.222 10.197,-1.524 v1(11.176,-1.524) ; v1(11.176,-6.223) 11.275,-6.223 11.176,-6.124 11.176,-5.013 13.671,-2.518 13.671,-1.95 14.986,-0.635 19.177,-0.635 v1@20.32,-1.778 ; v1(35.814,-39.751) 38.1,-37.465 v1(41.656,-37.465)
  Bottom Layer w1.27: v1(-46.198,51.308) -44.958,51.308 -43.688,52.578 -24.13,52.578 -23.376,53.332 -11.041,53.332 -11.002,53.293 K.4@-10.963,53.332
  other v1: -45.847,-8.001 20.464,-1.905
pads on no net: "CIN. " C13.0 CR3.0 CS2.0 Dr.2 Dr.3 Dr.4 Dr.5 Dr.6 Dr.7 Dr.10 Dr.11 Dr.12 Dr.13 Dr.14 Dr.15 K.2 M1.0 M2.0 M3.0 M4.0 M5.0 M6.0 M7.0 M8.0 M9.0 M10.0 M11.0 M12.0 M13.0 M14.0 M15.0 M16.0 M17.0 M18.0 M19.0 M20.0 M21.0 M22.0 M23.0 M24.0 Reg2.0 REG.0 Sh1.7 Sh2.7 Sh3.7 Sh4.7 Sh5.7 Sh5.10 SO3.9 T1.0 T2.0 T3.0 T4.0 T5.0 T6.0 T7.0 T8.0 T9.0 T10.0 T11.0 T12.0 T13.0 T14.0 T15.0 T16.0 T17.0 T18.0 T19.0 T20.0 T21.0 T22.0 T23.0 T24.0 U1.1 U1.10 U1.19 U1.22 U1.39 U1.40 usb.1 Y3.3

## Polygon pours and split planes (outlines as drawn)
GND on Bottom Layer "Bottom Layer-GND" (solid, remove dead copper, pour order 2): -63.246,33.401 -62.738,33.909 -49.784,33.909 -43.18,40.513 -43.18,45.212 -46.99,49.022 -57.277,49.022 -63.246,54.991 -63.246,56.261 2.159,56.261 3.683,54.737 3.683,47.244 5.334,45.593 5.588,45.847 16.51,45.847 26.924,56.261 38.227,56.261 38.227,-31.369 25.4,-31.369 20.32,-26.289 -63.119,-26.289 -63.373,-26.035 -63.246,-25.908

## Keep-outs
Keep-Out Layer:
  the board outline again, w0.254

## Silkscreen, mask and mechanical layers (free items; w line width, h text height)
Top Overlay:
  drawing of 703 lines, arcs and shapes, not listed
  text "DN" at 48.641,39.878 h1.52
  text "UP" at 48.641,35.814 h1.52
  text "6" at 48.844,31.877 h1.52
  text "5" at 48.895,27.94 h1.52
  text "4" at 48.895,24.426 h1.52
  text "3" at 49.022,20.193 h1.52
  text "2" at 49.022,16.51 h1.52
  text "1" at 49.335,12.478 h1.52
  text "-" at 49.022,7.255 h1.52
  text "EBS" at -1.905,3.302 h3.81
  text "G" at 49.149,3.175 h1.52
  text "ID" at -45.56,3.048 h1.52
  text "V1.0D9909" at -9.525,0.254 h3.81
  text "F" at 49.149,-0.889 h1.52
  text "E" at 49.022,-4.469 h1.52
  text "D" at 49.022,-8.636 h1.52
  text "C" at 49.046,-12.162 h1.52
  text "B" at 49.149,-16.129 h1.52
  text "A" at 49.022,-19.939 h1.52
  text "24" at 46.101,-38.227 h1.52
  text "G" at 46.736,-41.148 h1.52
  text "Dr" at 46.101,-43.688 h1.52
  text "F11" at -19.511,-45.266 h1
  text "F12" at -15.32,-45.266 h1
  text "F13" at -11.383,-45.266 h1
  text "F14" at -7.537,-45.266 h1
  text "F15" at -3.89,-45.266 h1
  text "F16" at -0.08,-45.266 h1
  text "F17" at 3.921,-45.266 h1
  text "F18" at 7.725,-45.266 h1
  text "F19" at 11.604,-45.266 h1
  text "F20" at 15.327,-45.266 h1
  text "F21" at 20.828,-45.266 h1
  text "F22" at 24.892,-45.266 h1
  text "F23" at 28.702,-45.266 h1
  text "F24" at 32.591,-45.266 h1
  text "F1" at -59.69,-45.466 h1.2
  text "F2" at -55.245,-45.466 h1.2
  text "F3" at -51.448,-45.466 h1.2
  text "F4" at -47.739,-45.466 h1.2
  text "F5" at -43.908,-45.466 h1.2
  text "F6" at -39.906,-45.466 h1.2
  text "F7" at -36.281,-45.466 h1.2
  text "F8" at -32.531,-45.466 h1.2
  text "F9" at -28.514,-45.466 h1.2
  text "F10" at -24.875,-45.466 h1.2
  text "N" at 46.863,-46.863 h1.52

## Text inside footprints (layer, text, board x,y; h text height)
K: Top Overlay "NC" at -3.743,52.057 h1.5 r270; Top Overlay "NO" at -3.794,45.326 h1.5 r270; Top Overlay "COM" at -11.185,49.364 h1.5 r270